# Altium PCB Apalis-Smart-Vision-Baseboard.PcbDoc (part 1 of 6) (continued)
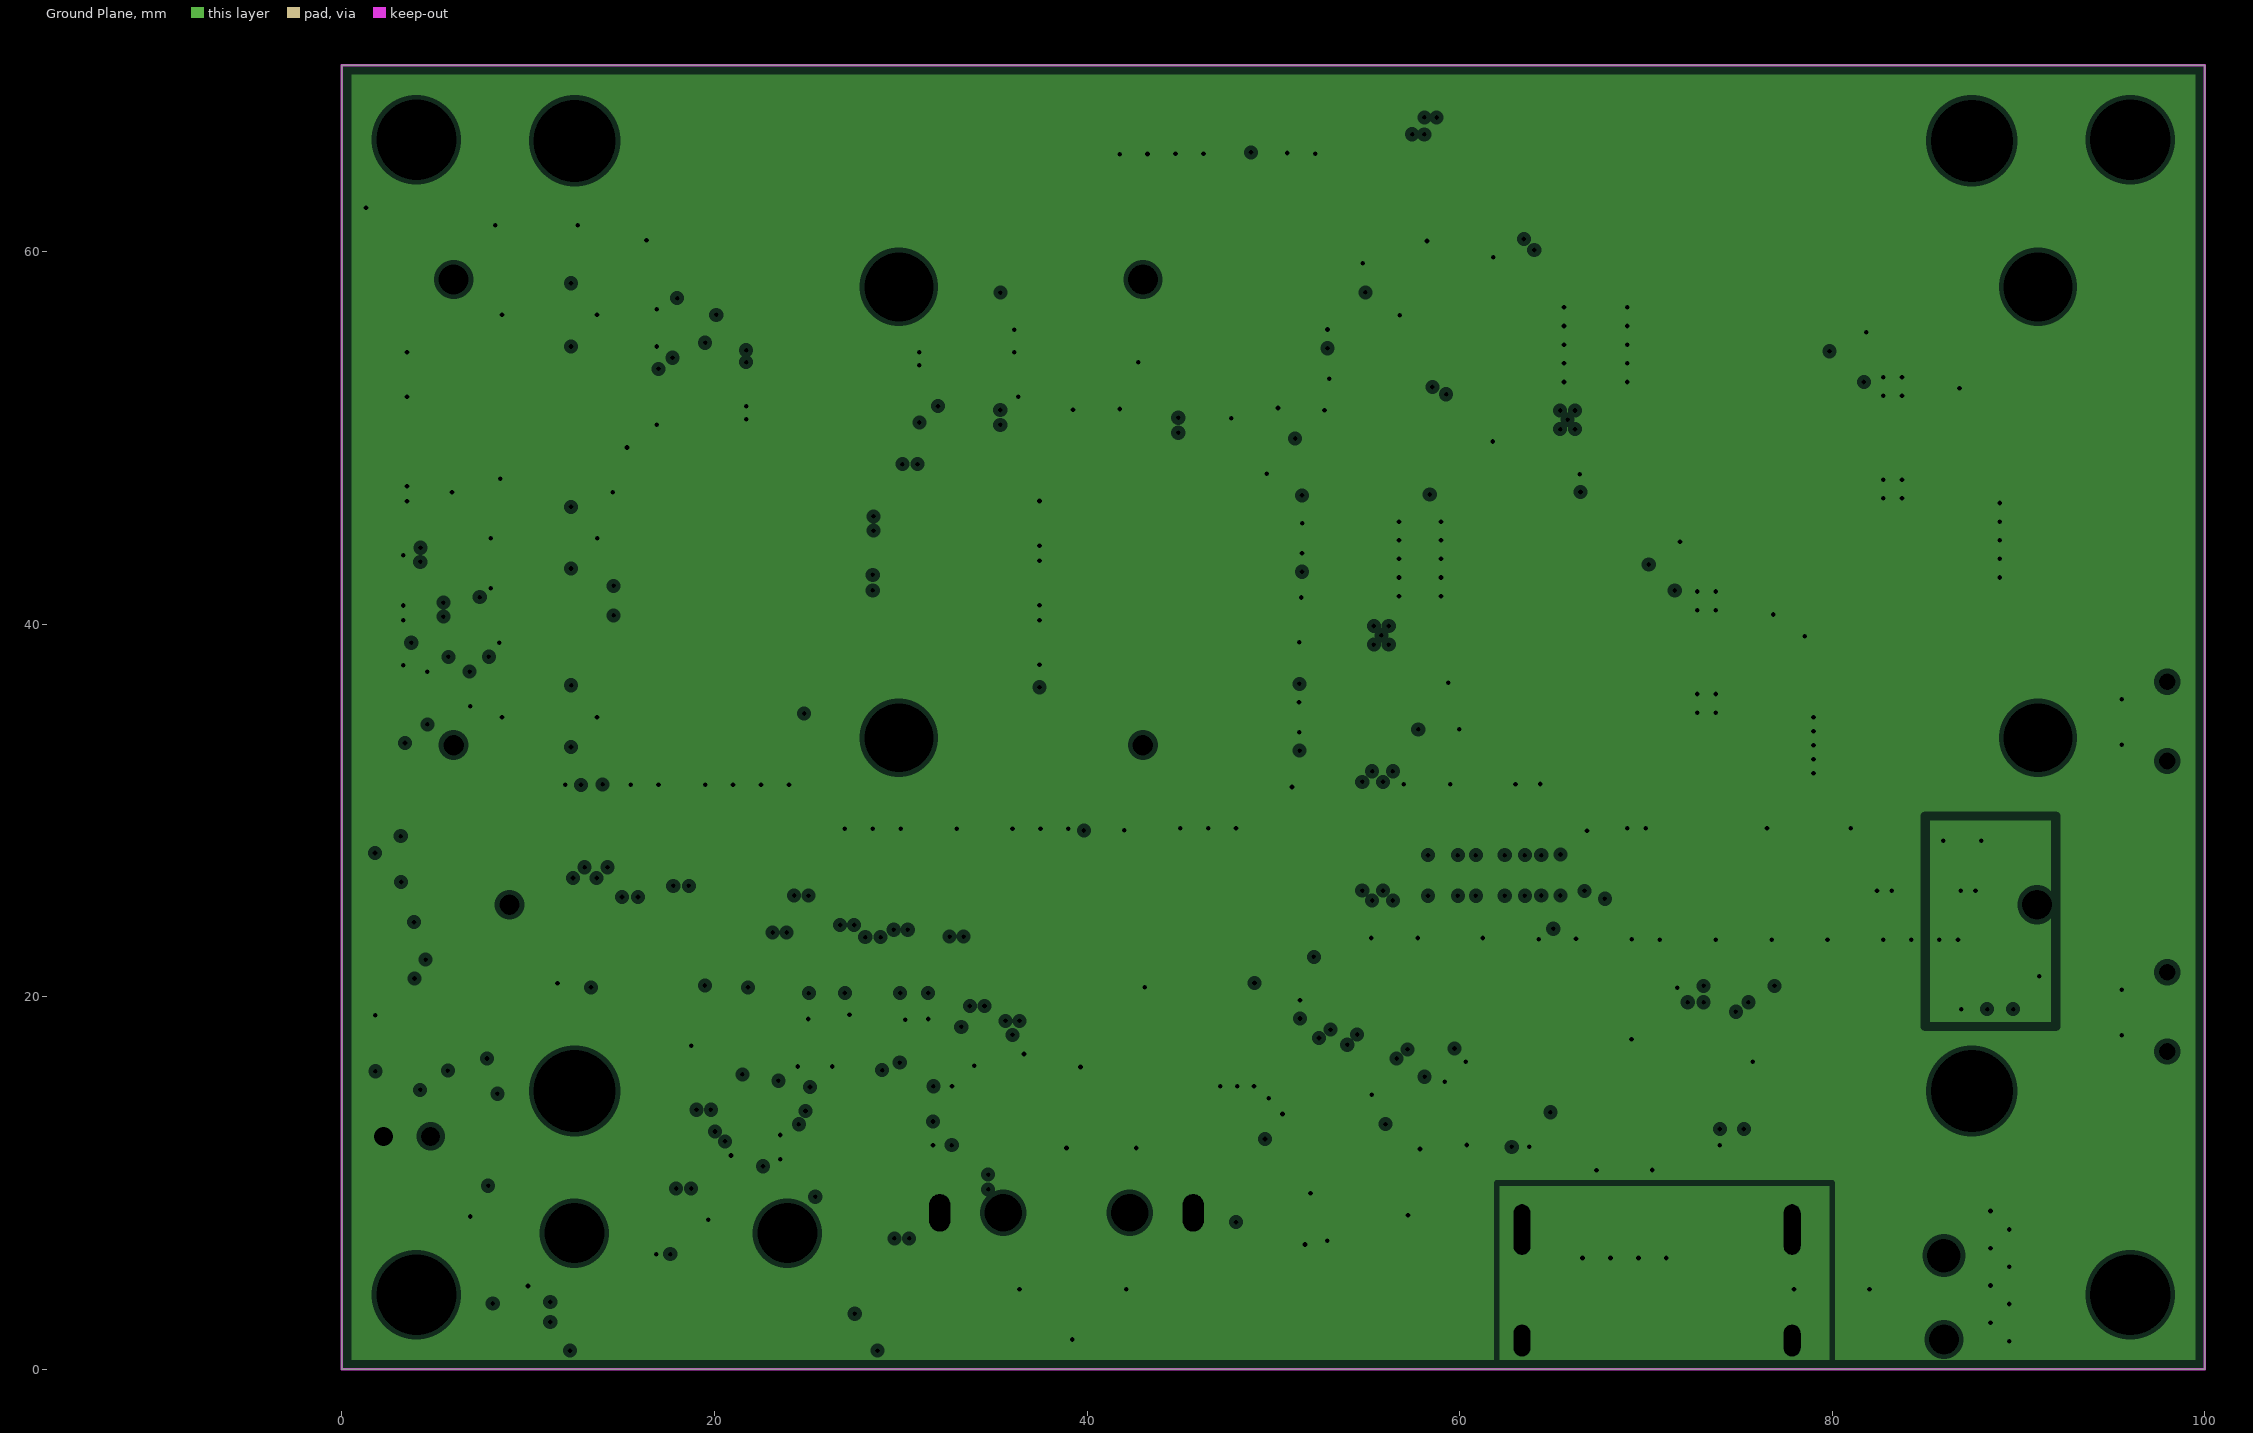
[diagram p3: Ground Plane, clearances drawn from the general rule]

## Layer stack, top to bottom
Top Solder: solder mask 0.02, Solder Resist, Dk 3.5
Top Layer: signal copper 0.035
Dielectric 1: prepreg 0.14, 7628MR, Dk 4.6
Power Plane: plane copper 0.035, net (Multiple Nets)
Dielectric 4: core 1.1, FR-4, Dk 4.3
Ground Plane: plane copper 0.035, net (Multiple Nets)
Dielectric 3: prepreg 0.14, 7628MR, Dk 4.6
Bottom Layer: signal copper 0.035
Bottom Solder: solder mask 0.02, Solder Resist, Dk 3.5

## Board outline
0,0 100,0 100,70 0,70

## Design rules (kind name [scope] priority, off if disabled: settings)
Clearance [All] p1: gap=0.15
DiffPairsRouting DiffPairsRouting_90 [InNetClass('Z_90Ohm')] p1: maxlimit=0.19 minlimit=0.19 mostfreqgap=0.19 toplayer_minwidth=0.18 toplayer_maxwidth=0.18 toplayer_prefwidth=0.18 bottomlayer_minwidth=0.18 bottomlayer_maxwidth=0.18 bottomlayer_prefwidth=0.18 maxuncoupledlength=12.7
DiffPairsRouting DiffPairsRouting_100 [InNetClass('Z_100Ohm')] p2: maxlimit=0.2 minlimit=0.2 mostfreqgap=0.2 toplayer_minwidth=0.16 toplayer_maxwidth=0.16 toplayer_prefwidth=0.16 bottomlayer_minwidth=0.16 bottomlayer_maxwidth=0.16 bottomlayer_prefwidth=0.16 maxuncoupledlength=12.7
DiffPairsRouting DiffPairsRouting_95 [InNetClass('Z_95Ohm')] p3: maxlimit=0.15 minlimit=0.15 mostfreqgap=0.15 toplayer_minwidth=0.16 toplayer_maxwidth=0.16 toplayer_prefwidth=0.16 bottomlayer_minwidth=0.16 bottomlayer_maxwidth=0.16 bottomlayer_prefwidth=0.16 maxuncoupledlength=12.7
HoleSize [All] p1: absolutevalues=TRUE maxlimit=4.4 minlimit=0.25 maxpercent=80.000 minpercent=20.000
MinimumAnnularRing [All] p1: minimumring=0.125
MinimumSolderMaskSliver [All] p1: minsoldermaskwidth=0
PlaneClearance [All] p1: clearance=0.254
PlaneConnect [All] p1: planeconnectstyle=Direct reliefexpansion=0.508 reliefentries=4 reliefconductorwidth=0.254 reliefairgap=0.254
PolygonConnect [All] p1: connectstyle=Direct reliefconductorwidth=0.254 reliefentries=4 polygonreliefangle="90 Angle" airgapwidth=0.254
RoutingVias [All] p1: holewidth=0.25 width=0.6 viastyle="Through Hole" minholewidth=0.25 minwidth=0.6 maxholewidth=0.25 maxwidth=0.6
SilkToSilkClearance [All] p1: silktosilkclearance=0.203
SilkToSolderMaskClearance [IsPad] p1: minsilkscreentomaskgap=0.076 clearancetoexposedcopper=TRUE
SolderMaskExpansion [All] p1: expansion=0.102
Width [All] p1: maxlimit=2 minlimit=0.15 preferedwidth=0.203 checkconnectedcopper=TRUE
22 further rules are at their usual default settings.

## Classes and differential pairs
component class SoM-HighSpeed: TP6 TP7 TP8 TP9
net class Z_95Ohm: CSI1_CLK_C_N CSI1_CLK_C_P CSI1_CLK_N CSI1_CLK_P CSI1_D1_C_N CSI1_D1_C_P CSI1_D1_N CSI1_D1_P CSI1_D2_C_N CSI1_D2_C_P CSI1_D2_N CSI1_D2_P CSI1_D3_C_N CSI1_D3_C_P CSI1_D3_N CSI1_D3_P CSI1_D4_C_N CSI1_D4_C_P CSI1_D4_N CSI1_D4_P CSI2_CLK_C_N CSI2_CLK_C_P CSI2_CLK_N CSI2_CLK_P CSI2_D1_C_N CSI2_D1_C_P CSI2_D1_N CSI2_D1_P CSI3_CLK_C_N CSI3_CLK_C_P CSI3_CLK_N CSI3_CLK_P CSI3_D1_C_N CSI3_D1_C_P CSI3_D1_N CSI3_D1_P CSI3_D2_C_N CSI3_D2_C_P CSI3_D2_N CSI3_D2_P CSI3_D3_C_N CSI3_D3_C_P CSI3_D3_N CSI3_D3_P CSI3_D4_C_N CSI3_D4_C_P CSI3_D4_N CSI3_D4_P USB3_H4_D_N USB3_H4_D_P USB3_H4_RX_N USB3_H4_RX_P USB3_H4_TX_N USB3_H4_TX_P USBH2_D_N USBH2_D_P
differential pair class mSATA: SATA_RX SATA_TX
component class SoM-LowSpeed: R33 R34 R35 R36 R42 R43 TP10 TP11 TP14 TP15
component class SoM-Supply: C18 C19 C21 C22 C23 C24 C25 C26 C27 C35 C47 C48 C50 D4 D10 J11 L4 M1 Q1 Q2 R10 R11 R12 R25 R28 R41 RST SP1 SP2 SP7 SP8
component class Power-Supply: C1 C2 C3 C4 C5 C6 C7 C8 C9 C10 C11 C12 C13 C14 C15 C16 C34 C49 D1 D2 IC1 IC2 IC3 IC6 IC7 J1 L1 L2 L3 R1 R2 R3 R4 R5 R6 R7 R8 R9 R29 R30 TP1 TP2 TP3 TP4 TP5
component class PCIe-SATA: C28 C29 C30 C31 C38 C39 C40 C43 C44 C45 C46 C55 C57 C58 D11 D15 J2 J3 J4 Q3 R14 R15 R31 R32 R38 R39 R40 SP3 SP4 SP5 SP6
component class Interfaces: C42 C51 C59 C60 D5 D6 D7 D19 D20 D21 D23 IC4 IC11 J7 J8 J9 J12 L6 L9 R22 R26 R27 R37 R53 USR
component class Camera-Interface: D12 D13 D14 IC12 IC13 IC14 IC15 IC16 IC17 IC18 IC19 IC20 IC21 IC22 IC23 J6
component class Debug-UART: C20 C33 C36 C37 D3 D8 D16 D17 D18 IC5 J10 L5 R13 R44 R45 TP16 TP17
component class Peripherals: BAT1 C17 C32 C41 C52 C53 C54 C56 D9 D22 IC8 IC9 IC10 J5 R16 R17 R18 R19 R20 R21 R24 R46 Y1
differential pair class CSI_ConnectorSide: CSI1_CLK_C CSI1_D1_C CSI1_D2_C CSI1_D3_C CSI1_D4_C CSI2_CLK_C CSI2_D1_C CSI3_CLK_C CSI3_D1_C CSI3_D2_C CSI3_D3_C CSI3_D4_C
differential pair class HDMI: HDMI_TXC HDMI_TXD0 HDMI_TXD1 HDMI_TXD2
differential pair class ETH: ETH_MDI0 ETH_MDI1 ETH_MDI2 ETH_MDI3
differential pair class USBHS: USB3_H4_D USB3_H4_RX USB3_H4_TX
differential pair class PCIE: PCIE1_CLK PCIE1_RX PCIE1_TX
differential pair class CSI_ModuleSide: CSI1_CLK CSI1_D1 CSI1_D2 CSI1_D3 CSI1_D4 CSI2_CLK CSI2_D1 CSI3_CLK CSI3_D1 CSI3_D2 CSI3_D3 CSI3_D4
differential pair class USB: USB_D
net class SD: SD_CD SD_CLK SD_CMD SD_D0 SD_D1 SD_D2 SD_D3
differential pair class CSI1: CSI1_CLK CSI1_D1 CSI1_D2 CSI1_D3 CSI1_D4
differential pair class CSI2: CSI2_CLK CSI2_D1
differential pair class CSI3: CSI3_CLK CSI3_D1 CSI3_D2 CSI3_D3 CSI3_D4
differential pair class CSI1_ConnectorSide: CSI1_CLK_C CSI1_D1_C CSI1_D2_C CSI1_D3_C CSI1_D4_C
differential pair class CSI2_ConnectorSide: CSI2_CLK_C CSI2_D1_C
differential pair class CSI3_ConnectorSide: CSI3_CLK_C CSI3_D1_C CSI3_D2_C CSI3_D3_C CSI3_D4_C
net class Z_90Ohm: USB3_H4_D_N USB3_H4_D_P USB3_H4_RX_N USB3_H4_RX_P USB3_H4_TX_N USB3_H4_TX_P USB_OTG_D_N USB_OTG_D_P
net class Z_100Ohm: ETH_MDI0_N ETH_MDI0_P ETH_MDI1_N ETH_MDI1_P ETH_MDI2_N ETH_MDI2_P ETH_MDI3_N ETH_MDI3_P HDMI_TXC_N HDMI_TXC_P HDMI_TXD0_N HDMI_TXD0_P HDMI_TXD1_N HDMI_TXD1_P HDMI_TXD2_N HDMI_TXD2_P PCIE1_CLK_N PCIE1_CLK_P PCIE1_RX_N PCIE1_RX_P PCIE1_TX_N PCIE1_TX_P SATA_RX_N SATA_RX_P SATA_TX_N SATA_TX_P
differential pair USBH2_D: +USBH2_D_P -USBH2_D_N
differential pair USB_D: +USB_D_P -USB_D_N
differential pair USB3_H4_TX: +USB3_H4_TX_P -USB3_H4_TX_N
differential pair USB3_H4_RX: +USB3_H4_RX_P -USB3_H4_RX_N
differential pair USB3_H4_D: +USB3_H4_D_P -USB3_H4_D_N
differential pair SATA_TX: +SATA_TX_P -SATA_TX_N
differential pair SATA_RX: +SATA_RX_P -SATA_RX_N
differential pair PCIE1_TX: +PCIE1_TX_P -PCIE1_TX_N
differential pair PCIE1_RX: +PCIE1_RX_P -PCIE1_RX_N
differential pair PCIE1_CLK: +PCIE1_CLK_P -PCIE1_CLK_N
differential pair HDMI_TXD2: +HDMI_TXD2_P -HDMI_TXD2_N
differential pair HDMI_TXD1: +HDMI_TXD1_P -HDMI_TXD1_N
differential pair HDMI_TXD0: +HDMI_TXD0_P -HDMI_TXD0_N
differential pair HDMI_TXC: +HDMI_TXC_P -HDMI_TXC_N
differential pair ETH_MDI3: +ETH_MDI3_P -ETH_MDI3_N
differential pair ETH_MDI2: +ETH_MDI2_P -ETH_MDI2_N
differential pair ETH_MDI1: +ETH_MDI1_P -ETH_MDI1_N
differential pair ETH_MDI0: +ETH_MDI0_P -ETH_MDI0_N
differential pair CSI3_D4: +CSI3_D4_P -CSI3_D4_N
differential pair CSI3_D3: +CSI3_D3_P -CSI3_D3_N
differential pair CSI3_D2: +CSI3_D2_P -CSI3_D2_N
differential pair CSI3_D1: +CSI3_D1_P -CSI3_D1_N
differential pair CSI3_CLK: +CSI3_CLK_P -CSI3_CLK_N
differential pair CSI2_D1: +CSI2_D1_P -CSI2_D1_N
differential pair CSI2_CLK: +CSI2_CLK_P -CSI2_CLK_N
differential pair CSI1_D4: +CSI1_D4_P -CSI1_D4_N
differential pair CSI1_D3: +CSI1_D3_P -CSI1_D3_N
differential pair CSI1_D2: +CSI1_D2_P -CSI1_D2_N
differential pair CSI1_D1: +CSI1_D1_P -CSI1_D1_N
differential pair CSI1_CLK: +CSI1_CLK_P -CSI1_CLK_N
differential pair CSI1_CLK_C: +CSI1_CLK_C_P -CSI1_CLK_C_N
differential pair CSI1_D1_C: +CSI1_D1_C_P -CSI1_D1_C_N
differential pair CSI1_D2_C: +CSI1_D2_C_P -CSI1_D2_C_N
differential pair CSI1_D3_C: +CSI1_D3_C_P -CSI1_D3_C_N
differential pair CSI1_D4_C: +CSI1_D4_C_P -CSI1_D4_C_N
differential pair CSI2_CLK_C: +CSI2_CLK_C_P -CSI2_CLK_C_N
differential pair CSI2_D1_C: +CSI2_D1_C_P -CSI2_D1_C_N
differential pair CSI3_CLK_C: +CSI3_CLK_C_P -CSI3_CLK_C_N
differential pair CSI3_D1_C: +CSI3_D1_C_P -CSI3_D1_C_N
differential pair CSI3_D2_C: +CSI3_D2_C_P -CSI3_D2_C_N
differential pair CSI3_D3_C: +CSI3_D3_C_P -CSI3_D3_C_N
differential pair CSI3_D4_C: +CSI3_D4_C_P -CSI3_D4_C_N
differential pair USB_OTG_D: +USB_OTG_D_P -USB_OTG_D_N

## Components (designator, comment, footprint, x,y, rotation, side; value= is the part's Value field where it differs from the comment)
BAT1 "3030" KEYSTONE_CR1025 39.2,4.3 r0 bottom
C1 "4u7" 0402#1 21.7,52.875 r90 top
C2 "10u" 0603#1 31,52.4 r270 top
C3 "10p" 0402#1 70.335,41.427 r0 top
C4 "10p" 0402#1 80.332,52.868 r0 top
C5 "470n" 0402#1 69.835,38.6 r90 top
C6 "470n" 0402#1 79.832,49.995 r90 top
C7 "47u" 1206 69.432,56.068 r0 top
C8 "47u" 1206 69.432,53.568 r0 top
C9 "47u" 1206 59.435,44.642 r0 top
C10 "47u" 1206 59.435,42.275 r0 top
C11 "22u" KEMET_C 80.935,35 r270 top
C12 "22u" KEMET_C 90.932,46.468 r270 top
C13 "10n" 0402#1 70.335,44 r180 top
C14 "10n" 0402#1 80.332,55.368 r180 top
C15 "470p" 0402#1 66.835,31.3 r90 top
C16 "470p" 0402#1 76.832,41.67 r90 top
C17 "100n" 0402#1 51.76,50.43 r90 top
C18 "4u7" 0603#1 87.618,20.216 r0 bottom
C19 "4u7" 0603#1 90.412,20.216 r180 bottom
C20 "10u" 0402#1 24.4,11.46 r90 bottom
C21 "4u7" 0603#1 11.55,19.925 r0 bottom
C22 "4u7" 0603#1 17.25,19.5 r90 bottom
C23 "4u7" 0603#1 18.75,19.5 r90 bottom
C24 "4u7" 0603#1 22.75,19.5 r90 bottom
C25 "4u7" 0603#1 24.25,19.5 r90 bottom
C26 "4u7" 0603#1 26.25,19.5 r90 bottom
C27 "4u7" 0603#1 29.25,19.5 r90 bottom
C28 "10u" 0603#1 13,45.4 r0 top
C29 "10u" 0603#1 13,55.8 r0 top
C30 "10u" 0603#1 36.07,39.56 r90 top
C31 "10u" 0603#1 5.67,39.012 r0 bottom
C32 "1u" 0402#1 55.45,13.6 r270 top
C33 "100n" 0402#2 32.23,14.5 r0 bottom
C34 "100n" 0402#1 58.89,34.35 r0 top
C35 "4u7" 0603#1 33.95,17.68 r90 bottom
C36 "10n" 0402#1 54.773,7.795 r90 bottom
C37 "100n" 0402#1 56.4,11.2 r180 bottom
C38 "10u" 0603#1 13,57.4 r0 top
C39 "10u" 0603#1 13,43.8 r0 top
C40 "10u" 0603#1 13.005,35.8 r0 top
C41 "100n" 0402#1 55.425,56.575 r0 top
C42 "100u" KEMET_A 46.65,16.575 r0 top
C43 "10u" 0603#1 50.016,34.2 r0 top
C44 "10u" 0603#1 50,55.8 r0 top
C45 "10u" 0603#1 50.143,43.8 r0 top
C46 "10u" 0603#1 50,35.8 r0 top
C47 "4u7" 0603#1 53.99,19.97 r180 bottom
C48 "4u7" 0603#1 32.25,19.5 r90 bottom
C49 "100n" 0402#1 67.232,47.568 r90 top
C50 "4u7" 0603#1 37.7,17.948 r90 bottom
C51 "1u" 0402#1 49.425,19.3 r270 top
C52 "100n" 0402#1 63.28,12.58 r180 top
C53 "6p" 0402#1 73.5,17.8 r180 top
C54 "6p" 0402#1 73.5,11.4 r180 top
C55 "10u" 0603#1 13,34.2 r0 top
C56 "10n" 0402#1 50.975,14.4 r0 top
C57 "10u" 0603#1 50,57.4 r0 top
C58 "10u" 0603#1 50.143,45.4 r0 top
C59 "10n" 0402#1 20.24,8.5 r270 bottom
C60 "100n" 0402#1 20.24,10.97 r270 bottom
D1 "MBRS540T3G" SMC-403-03 73.335,32.8 r180 top
D2 "MBRS540T3G" SMC-403-03 83.332,44.268 r180 top
D3 "BAV70LT3G" SOT-23 22.472,13.45 r270 bottom
D4 "KPT-1608SGC" LED0603 5.67,42 r180 bottom
D5 "TPD4E05U06" TPD4E05U06_PASS 67.35,11.9 r0 bottom
D6 "TPD6E05U06" TPD6E05U06_PASS 39.15,17.678 r0 top
D7 "TPD4E05U06" TPD4E05U06_PASS 70.35,11.9 r0 bottom
D8 "TPD2E2U06DRLR" TPD2E2U06DRLR 53.5,9.653 r270 bottom
D9 "TPD4E05U06" TPD4E05U06_PASS 53.45,13.585 r0 top
D10 "KPT-1608SGC" LED0603 2.5,15 r180 top
D11 "KPT-1608SGC" LED0603 42,28 r0 top
D12 "TPD6E05U06" TPD6E05U06_PASS 54.25,61.125 r0 bottom
D13 "TPD6E05U06" TPD6E05U06_PASS 57.75,59.125 r0 bottom
D14 "TPD6E05U06" TPD6E05U06_PASS 61.25,61.125 r0 bottom
D15 "KPT-1608SGC" LED0603 2.5,27 r180 top
D16 "KPT-1608SGC" LED0603 2.5,18 r180 top
D17 "KPT-1608SGC" LED0603 2.5,24 r180 top
D18 "KPT-1608EC" LED0603 2.5,21 r180 top
D19 "KPJA-2107CKCK" KPJA-2107 26.385,1 r0 bottom locked
D20 "KPJA-2107SYCK" KPJA-2107 9.985,1 r0 bottom locked
D21 "KPT-1608EC" LED0603 45.35,22.475 r180 top
D22 "TPD4E05U06" TPD4E05U06_PASS 57.625,13.585 r0 top
D23 "TPD2E2U06DRLR" TPD2E2U06DRLR 18.6,8 r270 bottom
IC1 "LM3671MF-1.5" SOT23-5N 24.3,52.4 r0 top
IC2 "LT3976EMSE#PBF" LT3976EMSE 73.335,38.6 r0 top
IC3 "LT3976EMSE#PBF" LT3976EMSE 83.332,49.995 r0 top
IC4 "IP4791CZ12" IP4791CZ12 74,16.5 r0 bottom
IC5 "FT232RQ" QFN-32 28.24,12.65 r180 bottom
IC6 "AD8211YRJ" SOT23-5 59.435,36.471 r180 top
IC7 "AD8211YRJ" SOT23-5 69.432,47.968 r180 top
IC8 "TC1047AVNBTR" SOT-23 55.471,54.45 r0 top
IC9 "MCP79410" SOIC-8 68.15,13.895 r180 top
IC10 "ADS1015IDGST" MSOP10 55.475,49.646 r180 top
IC11 "NCP380HSNAJAAT1G" TSOP-6 46.675,19.785 r180 top
IC12 "EClamp8052P" SGP1917N5 41.25,53.15 r0 bottom
IC13 "EClamp8052P" SGP1917N5 45.75,55.75 r0 bottom
IC14 "EClamp8052P" SGP1917N5 39.75,55.75 r0 bottom
IC15 "EClamp8052P" SGP1917N5 50.75,55.75 r0 bottom
IC16 "EClamp8052P" SGP1917N5 38.75,53.15 r0 bottom
IC17 "EClamp8052P" SGP1917N5 49.75,53.15 r0 bottom
IC18 "EClamp8052P" SGP1917N5 37.25,55.75 r0 bottom
IC19 "EClamp8052P" SGP1917N5 48.25,55.75 r0 bottom
IC20 "EClamp8052P" SGP1917N5 42.25,55.75 r0 bottom
IC21 "EClamp8052P" SGP1917N5 47.25,53.15 r0 bottom
IC22 "EClamp8052P" SGP1917N5 44.75,53.15 r0 bottom
IC23 "EClamp8052P" SGP1917N5 52.25,53.15 r0 bottom
J1 "694106106102" 694106106102 86,1.6 r90 top locked
J2 "1759503-1" 1759503-1 6,46 r270 top locked
J3 "693021010811" 693021010811 16.7,61.5 r90 bottom locked
J4 "1759503-1" 1759503-1 43,46 r270 top locked
J5 "114-00841-68" 114-00841-68 61.3,2.1 r0 top locked
J6 "68715014522" 68715014522 50,65 r0 bottom locked
J7 "47151-1001" Molex_HDMI_471511001 70.6,4.9 r180 bottom locked
J8 "692122030100" 692122030100 38.9,8.4 r0 top locked
J9 "7498111001A" 7498111001A 18.2,7.35 r0 top locked
J10 "Molex 47346-0001" CON-Molex-047346-0001 53.5,3.6 r90 bottom
J11 "MX-22-23-2021" MOLEX_2223-2021 3.5,12.5 r180 bottom
J12 "Molex 47346-0001" CON-Molex-047346-0001 18.175,3.6 r90 bottom
L1 "LQH3NPN2R2NM0L" LQH3NPN2R2NM 28.2,52.4 r270 top
L2 "IHLP2525CZER2R2M01" IHLP-2525CZ-01 65.635,40.7 r90 top
L3 "IHLP2525CZER2R2M01" IHLP-2525CZ-01 75.632,52.168 r90 top
L4 "BLM18SG121TN1D" 0603#2 85,25.693 r0 top
L5 "BLM18SG121TN1D" 0603#2 56.122,8.26 r270 bottom
L6 "BLM18SG121TN1D" 0603#2 80,4.3 r180 bottom
L9 "BLM18SG121TN1D" 0603#3 21.62,9.69 r90 bottom
M1 "MM70-314-310B1" Apalis-H 50,26.036 r0 bottom locked
Q1 "PMGD780SN" SOT-363 9,7.25 r270 bottom
Q2 "SI2323DS" SOT-23 8,10.8 r180 bottom
Q3 "PMGD780SN" SOT-363 5.73,36.5 r270 bottom
R1 "1M" 0402#1 70.335,42.316 r0 top
R2 "1M" 0402#1 80.332,53.868 r0 top
R3 "2R" 0402#1 66.835,33.3 r90 top
R4 "2R" 0402#1 76.832,43.67 r90 top
R5 "576k" 0402#1 71.835,43.2 r270 top
R6 "130k" 0402#1 77.335,39.35 r180 top
R7 "316k" 0402#1 81.832,54.368 r270 top
R8 "54k9" 0402#1 87.332,50.745 r180 top
R9 "10k" 0402#1 87.311,51.868 r0 top
R10 "10k" 0402#1 10.4,10.35 r270 bottom
R11 "330R" 0402#1 7.3,14.8 r0 bottom
R12 "22R" 0402#1 8.1,4.65 r90 bottom
R13 "330R" 0402#1 7.3,16.033 r0 bottom
R14 "22R" 0402#1 13.3,42.05 r180 top
R15 "22R" 0402#1 13.3,41.1 r180 top
R16 "10k" 0402#1 53.08,19.49 r90 top
R17 "10k" 0402#1 53.99,19.49 r90 top
R18 "10k" 0402#1 56.38,18.68 r90 top
R19 "0R" 0603#1 59.475,47.7 r270 top
R20 "10k" 0402#1 57.265,18.68 r90 top
R21 "10k" 0402#1 58.15,18.68 r90 top
R22 "10k" 0402#1 65.41,26.51 r270 top
R24 "0R" 0603#1 59.475,49.1 r270 top
R25 "0R" 0402#1 10.06,3.62 r0 bottom
R26 "330R" 0402#1 26.385,3 r0 bottom
R27 "330R" 0402#1 10.06,2.54 r0 bottom
R28 "10k" 0402#1 9.505,5.1 r0 bottom
R29 "0R05" 1206 59.435,39.4 r0 top
R30 "0R05" 1206 69.432,50.968 r0 top
R31 "330R" 0402#1 39.6,28 r180 top
R32 "330R" 0402#1 3.19,27.5 r270 bottom
R33 "4k7" 0402#1 58.3,26.51 r270 top
R34 "4k7" 0402#1 59.904,26.51 r270 top
R35 "4k7" 0402#1 60.872,26.51 r270 top
R36 "4k7" 0402#1 62.423,26.51 r270 top
R37 "470R" 0402#1 48.05,22.475 r0 top
R38 "10k" 0402#1 50.143,47 r0 top
R39 "10k" 0402#1 3.91,35.11 r270 bottom
R40 "10k" 0402#1 7.92,37.13 r90 bottom
R41 "330R" 0402#1 9,42.05 r270 bottom
R42 "4k7" 0402#1 64.38,26.51 r270 top
R43 "4k7" 0402#1 63.506,26.51 r270 top
R44 "330R" 0402#1 3.199,23.52 r270 bottom
R45 "330R" 0402#1 3.19,21.51 r90 bottom
R46 "10k" 0402#1 50.975,15.273 r180 top
R53 "13k" 0402#1 43.95,20.275 r270 top
RST "TL3340AF160QG" TL3340AF160QG 97.99,19.19 r270 bottom
SP1 "9774030360" M3-3mm 12.5,65.936 r180 bottom
SP2 "9774030360" M3-3mm 87.5,65.936 r180 bottom
SP3 "9774050151" M2.5-5mm 29.9,58.1 r0 top locked
SP4 "9774050151" M2.5-5mm 29.9,33.9 r0 top locked
SP5 "9774050151" M2.5-5mm 91.05,33.9 r0 top locked
SP6 "9774050151" M2.5-5mm 91.05,58.1 r0 top locked
SP7 "9774080360" M3-8mm 12.5,14.936 r180 bottom
SP8 "9774080360" M3-8mm 87.5,14.936 r180 bottom
TP1 "TP-R-1.5" TP-R-1.5 96.495,25.502 r0 top
TP2 "TP-R-1.5" TP-R-1.5 60.325,15.443 r0 top
TP3 "TP-R-1.5" TP-R-1.5 63.246,51.156 r0 top
TP4 "TP-R-1.5" TP-R-1.5 67.183,26.848 r0 top
TP5 "TP-R-1.5" TP-R-1.5 27.254,25.591 r0 top
TP6 "TP-R-1.5" TP-R-1.5 27.661,17.882 r0 top
TP7 "TP-R-1.5" TP-R-1.5 29.388,17.907 r0 top
TP8 "TP-R-1.5" TP-R-1.5 27.33,22.2 r0 top
TP9 "TP-R-1.5" TP-R-1.5 25.552,21.387 r0 top
TP10 "TP-R-1.5" TP-R-1.5 58.522,53.95 r90 top
TP11 "TP-R-1.5" TP-R-1.5 60.935,53.289 r90 top
TP14 "TP-R-1.5" TP-R-1.5 60.757,18.263 r90 top
TP15 "TP-R-1.5" TP-R-1.5 62.586,19.888 r90 top
TP16 "TP-R-1.5" TP-R-1.5 29.337,11.963 r90 top
TP17 "TP-R-1.5" TP-R-1.5 30.226,10.4 r90 top
USR "TL3340AF160QG" TL3340AF160QG 97.99,34.78 r270 bottom
Y1 "32.768 kHz" ABS25 74.2,14.6 r0 top

## Footprints (in the part's own frame and the unit in brackets; to place one, negate y for a bottom-side part, rotate by r counter-clockwise, add the part's x,y. Pads: shape width x height; smd on the part's side, far side on the other; paste and mask are expansions set on the pad)
114-00841-68 [mm]
  rect 0.7x1.75 smd: 1(-2.455,-0.874) 2(-3.555,-0.874) 3(-4.655,-0.874) 4(-5.755,-0.874) 5(-6.855,-0.874) 6(-7.955,-0.874) 7(-9.055,-0.874) 8(-10.155,-0.874)
  rect 1.5x1 smd: 9(-11.155,8.365)
  rect 1x1.55 smd: 10(0.005,9.94)
  rect 1x1.75 smd: M(-11.355,-0.874)
  rect 1x1.5 smd: M(-11.355,6.865)
  rect 1.5x1.75 smd: M(-0.005,-0.874)
  rect 0.8x1.4 smd: M(-0.005,7.515)
  silkscreen extent -11.42,0.52 0.01,10.17, body extent -11.63,-1.38 0.37,10.22, height 1.6
0402#1 [mm]
  rect 0.57x0.62 smd: 1(-0.48,0) 2(0.48,0)
  body extent -0.55,-0.3 0.55,0.3, height 0.5
0402#2 [mm]
  rect 0.57x0.62 smd: 1(0.48,0) 2(-0.48,0)
  body extent -0.55,-0.3 0.55,0.3, height 0.5
0603#1 [mil]
  rect 30x30 smd: 1(-27.5,0) 2(27.5,0)
  silkscreen extent -53,-25 53,25, body extent -30,-15 30,15, height 31
0603#2 [mil] "Chip Inductor Ferrite Bead 0603"
  rect 38.19x37.8 smd: 1(-32.09,0) 2(32.09,0)
  body extent -34,-19 34,19, height 24
0603#3 [mil] "Chip Inductor Ferrite Bead 0603"
  rect 38.19x37.8 smd: 1(32.09,0) 2(-32.09,0)
  body extent -34,-19 34,19, height 24
1206 [mm]
  rect 1.016x1.7 smd: 1(-1.6,0) 2(1.6,0)
  silkscreen extent -2.4,-1.1 2.4,1.1, body extent -2.1,-0.89 2.1,0.91, height 0.95
1759503-1 [mm]
  rrect12% 0.6x2 smd: 1(-11.8,-4.1) 2(-11.4,4.1) 3(-11,-4.1) 4(-10.6,4.1) 5(-10.2,-4.1) 6(-9.8,4.1) 7(-9.4,-4.1) 8(-9,4.1) 9(-8.6,-4.1) 10(-8.2,4.1) 11(-7.8,-4.1) 12(-7.4,4.1) 13(-7,-4.1) 14(-6.6,4.1) 15(-6.2,-4.1) 16(-5.8,4.1) 17(-2.2,-4.1) 18(-1.8,4.1) 19(-1.4,-4.1) 20(-1,4.1) 21(-0.6,-4.1) 22(-0.2,4.1) 23(0.2,-4.1) 24(0.6,4.1) 25(1,-4.1) 26(1.4,4.1) 27(1.8,-4.1) 28(2.2,4.1) 29(2.6,-4.1) 30(3,4.1) 31(3.4,-4.1) 32(3.8,4.1) 33(4.2,-4.1) 34(4.6,4.1) 35(5,-4.1) 36(5.4,4.1) 37(5.8,-4.1) 38(6.2,4.1) 39(6.6,-4.1) 40(7,4.1) 41(7.4,-4.1) 42(7.8,4.1) 43(8.2,-4.1) 44(8.6,4.1) 45(9,-4.1) 46(9.4,4.1) 47(9.8,-4.1) 48(10.2,4.1) 49(10.6,-4.1) 50(11,4.1) 51(11.4,-4.1) 52(11.8,4.1)
  rrect12% 2.3x3.2 smd: M(-14.65,-3.5) M(14.65,-3.5)
  round 1.6 hole 1.6 unplated mask-1: M(-12.5,0)
  round 1.1 hole 1.1 unplated mask-1: M(12.5,0)
  body extent -15,-5 15,4.73, height 8.05
7498111001A [mm] "LAN Transformer, body 21.6x15.88mm"
  rect 0.76x2.03 smd: 1(5.715,11.64) 2(4.445,11.64) 3(3.175,11.64) 4(1.905,11.64) 5(0.635,11.64) 6(-0.635,11.64) 7(-1.905,11.64) 8(-3.175,11.64) 9(-4.445,11.64) 10(-5.715,11.64)
  rect 3.3x3.18 smd: SHIELD(-9.145,-0.04) SHIELD(9.145,-0.04)
  round 3.22 hole 3.22 unplated: ""(-5.715,-0.04) ""(5.715,-0.04)
  silkscreen extent -7.94,1.84 7.94,10.85, body extent -10.25,-10.74 10.25,11.86, height 13.6
68715014522 [mm] "50 pins"
  rect 0.3x1.2 smd: 1(-12.25,0.99) 2(-11.75,0.99) 3(-11.25,0.99) 4(-10.75,0.99) 5(-10.25,0.99) 6(-9.75,0.99) 7(-9.25,0.99) 8(-8.75,0.99) 9(-8.25,0.99) 10(-7.75,0.99) 11(-7.25,0.99) 12(-6.75,0.99) 13(-6.25,0.99) 14(-5.75,0.99) 15(-5.25,0.99) 16(-4.75,0.99) 17(-4.25,0.99) 18(-3.75,0.99) 19(-3.25,0.99) 20(-2.75,0.99) 21(-2.25,0.99) 22(-1.75,0.99) 23(-1.25,0.99) 24(-0.75,0.99) 25(-0.25,0.99) 26(0.25,0.99) 27(0.75,0.99) 28(1.25,0.99) 29(1.75,0.99) 30(2.25,0.99) 31(2.75,0.99) 32(3.25,0.99) 33(3.75,0.99) 34(4.25,0.99) 35(4.75,0.99) 36(5.25,0.99) 37(5.75,0.99) 38(6.25,0.99) 39(6.75,0.99) 40(7.25,0.99) 41(7.75,0.99) 42(8.25,0.99) 43(8.75,0.99) 44(9.25,0.99) 45(9.75,0.99) 46(10.25,0.99) 47(10.75,0.99) 48(11.25,0.99) 49(11.75,0.99) 50(12.25,0.99)
  rect 2.7x3 smd: M(-14.18,-0.99) M(14.18,-0.99)
  silkscreen extent -15.8,-3.71 15.8,1.89, body extent -15.7,-3.71 15.7,1.39, height 2.06
692122030100 [mm] "Receptacle Dual port TH"
  rect 0.9x2.6 smd: 1(-3.75,5.22) 2(-1.25,5.22) 3(1.25,5.22) 4(3.75,5.22)
  rect 0.9x2.15 smd: 5(5,5.445) 6(2.5,5.445) 7(0,5.445) 8(-2.5,5.445) 9(-5,5.445)
  oval 2.3x3 hole 1.12 slot 2 at 90 deg: SHIELD(-6.8,0) SHIELD(6.8,0)
  round 1.8 hole 2 unplated: ""(-3.4,0) ""(3.4,0)
  silkscreen extent -6.55,1.83 6.55,4.87, body extent -7.55,-11.78 7.55,6.02, height 7.98